# Allegro board S071AA-0413-20260427.brd (continued)
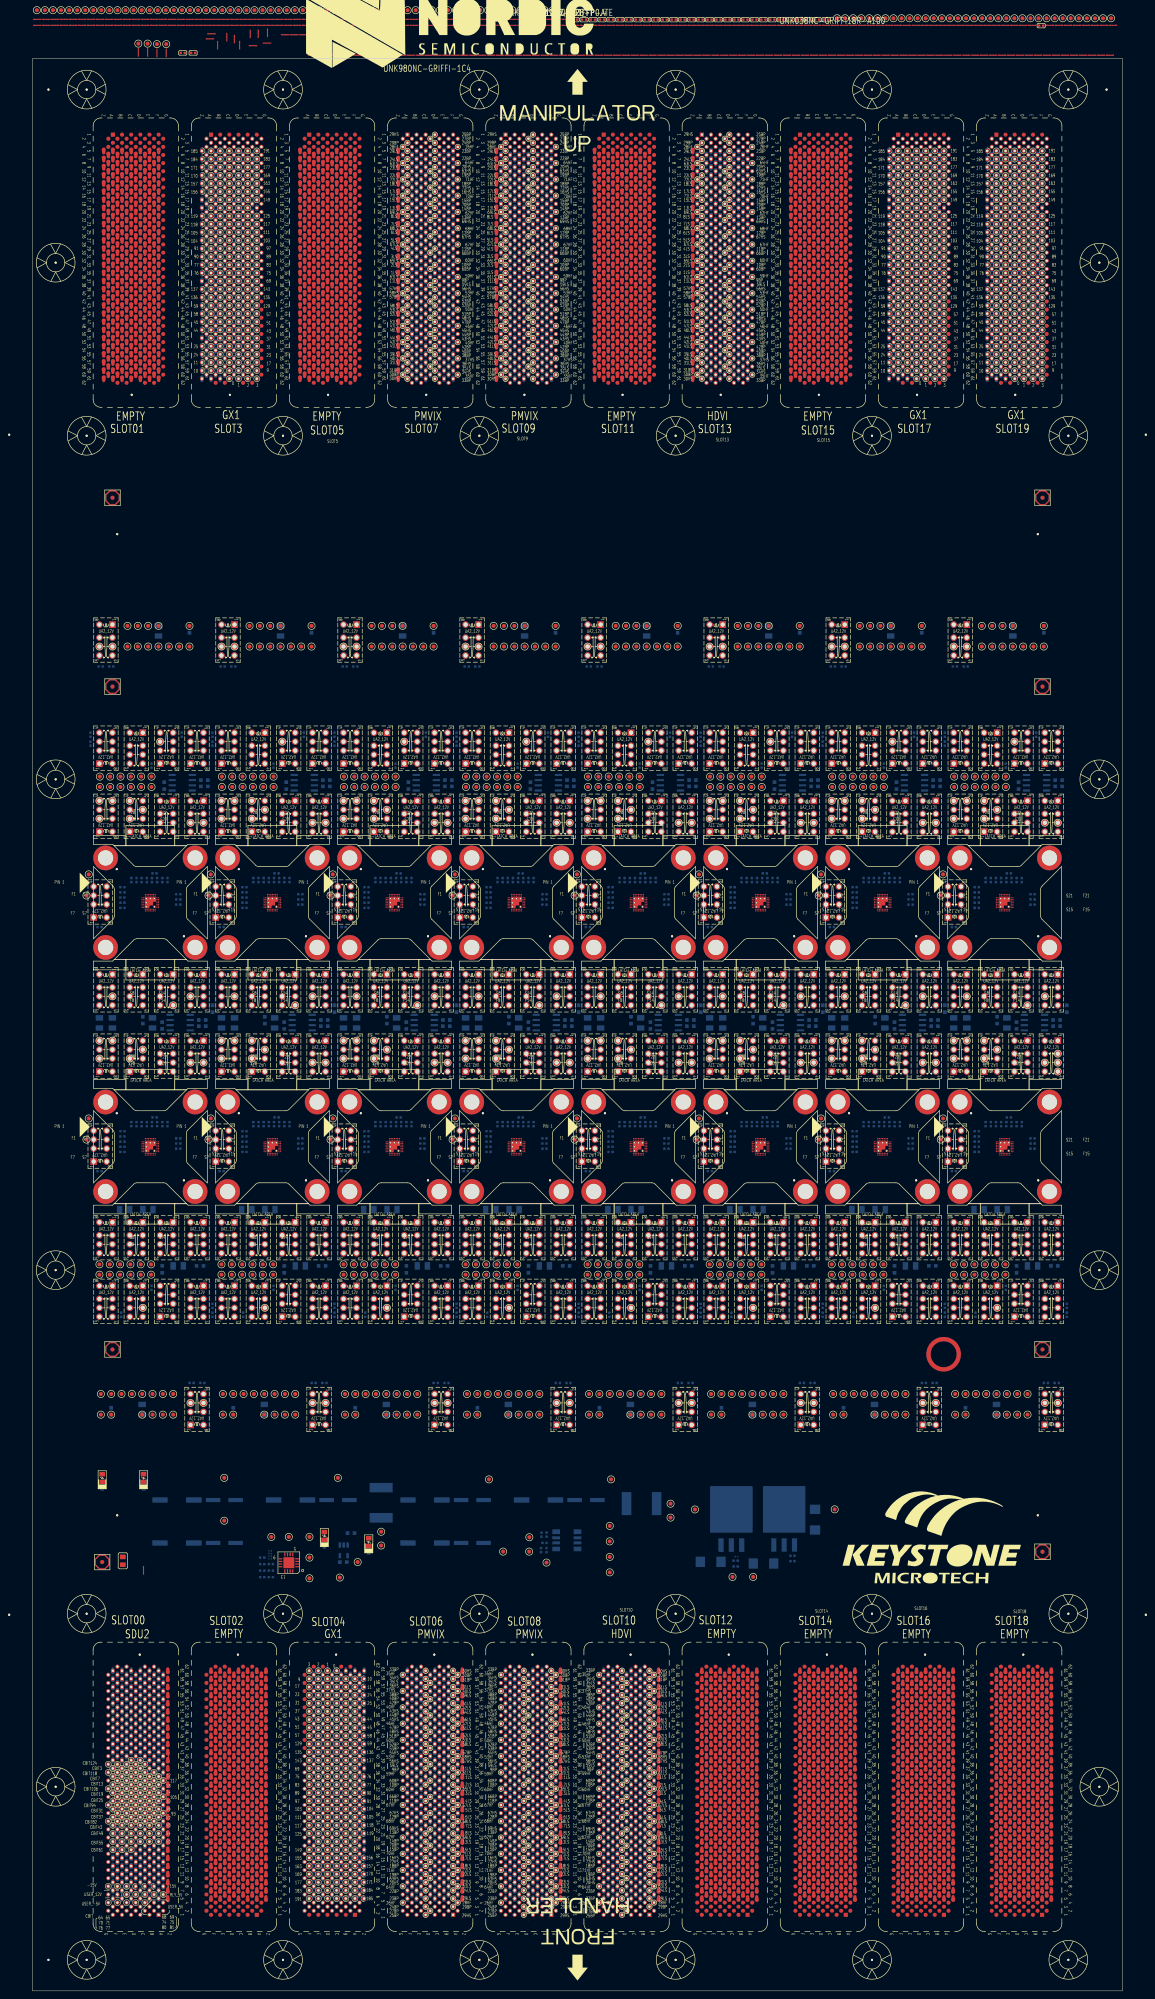
[diagram p0: board, top side]
## Nets (continued)
VI_578_8-CH2F: SITE8.F23(SW_F) SLOT8.F33 UNK8CS23.1 UNK8TP_SW_F.1
VI_578_8-CH2GS: SLOT8.A33 UNK8SH34.2
VI_578_8-CH2S: SITE8.S23(SW_S) SLOT8.C33 UNK8TP_SW_S.1
VI_579_8-CH3BP: SLOT8.B31
VI_579_8-CH3F: SITE8.F22(VOUT_F) SLOT8.F31 UNK8CS22.1 UNK8TP_VOUT_F.1
VI_579_8-CH3GS: SLOT8.A31 UNK8SH33.2
VI_579_8-CH3S: SITE8.S22(VOUT_S) SLOT8.C31 UNK8TP_VOUT_S.1
VI_580_8-CH4BP: SLOT8.B29
VI_580_8-CH4F: SITE8.F21(VDDIO_F) SLOT8.F29 UNK8C1.1 UNK8CS21.1 UNK8R7.1 UNK8R8.1 UNK8TP_VDDIO_F.1
VI_580_8-CH4GS: SLOT8.A29 UNK8SH20.2
VI_580_8-CH4S: SITE8.S21(VDDIO_S) SLOT8.C29 UNK8TP_VDDIO_S.1
VI_581_8-CH5BP: SLOT8.B27
VI_581_8-CH5F: SITE8.F28(VBUS_F) SLOT8.F25 SLOT8.F27 UNK8CS28.1 UNK8K1.4 UNK8TP_VBUS_F.1
VI_581_8-CH5GS: SLOT8.A25 SLOT8.A27 UNK8SH2.2
VI_581_8-CH5S: SITE8.S28(VBUS_S) SLOT8.C25 SLOT8.C27 UNK8TP_VBUS_S.1
VI_582_8-CH6BP: SLOT8.B25
VI_583_8-CH7BP: SLOT8.B23
VI_583_8-CH7F: SITE8.F20(LSIN2 / NCHGEN_F) SLOT8.F23 UNK8C12.1 UNK8CS20.1 UNK8SH37.2 UNK8TP_LSIN2/NCHGEN_F.1
VI_583_8-CH7GS: SLOT8.A23 UNK8SH29.2
VI_583_8-CH7S: SITE8.S20(LSIN2 / NCHGEN_S) SLOT8.C23 UNK8TP_LSIN2/NCHGEN_S.1
VI_584_8-CH8BP: SLOT8.B21
VI_584_8-CH8F: SLOT8.F21
VI_584_8-CH8GS: SLOT8.A21
VI_584_8-CH8S: SLOT8.C21
VI_585_8-CH9BP: SLOT8.D37
VI_585_8-CH9F: SITE6.F4(LSIN1 / ILIM0_F) SLOT8.F37 UNK6CS4.2 UNK6SH35.2 UNK6TP_LSIN1_F.1
VI_585_8-CH9GS: SLOT8.C37 UNK6SH39.1
VI_585_8-CH9S: SITE6.S4(LSIN1 / ILIM0_S) SLOT8.E37 UNK6TP_LSIN1_S.1
VI_586_8-CH10BP: SLOT8.D33
VI_586_8-CH10F: SITE6.F23(SW_F) SLOT8.E35 UNK6CS23.1 UNK6TP_SW_F.1
VI_586_8-CH10GS: SLOT8.B37 UNK6SH34.2
VI_586_8-CH10S: SITE6.S23(SW_S) SLOT8.E33 UNK6TP_SW_S.1
VI_587_8-CH11BP: SLOT8.D29
VI_587_8-CH11F: SITE6.F22(VOUT_F) SLOT8.E31 UNK6CS22.1 UNK6TP_VOUT_F.1
VI_587_8-CH11GS: SLOT8.A37 UNK6SH33.2
VI_587_8-CH11S: SITE6.S22(VOUT_S) SLOT8.E29 UNK6TP_VOUT_S.1
VI_588_8-CH12BP: SLOT8.D25
VI_588_8-CH12F: SITE6.F21(VDDIO_F) SLOT8.E27 UNK6C1.1 UNK6CS21.1 UNK6R7.1 UNK6R8.1 UNK6TP_VDDIO_F.1
VI_588_8-CH12GS: SLOT8.B19 UNK6SH20.2
VI_588_8-CH12S: SITE6.S21(VDDIO_S) SLOT8.E25 UNK6TP_VDDIO_S.1
VI_589_8-CH13BP: SLOT8.D21
VI_589_8-CH13F: SITE6.F28(VBUS_F) SLOT8.E23 SLOT8.F19 UNK6CS28.1 UNK6K1.4 UNK6TP_VBUS_F.1
VI_589_8-CH13GS: SLOT8.A19 SLOT8.C19 UNK6SH2.2
VI_589_8-CH13S: SITE6.S28(VBUS_S) SLOT8.E19 SLOT8.E21 UNK6TP_VBUS_S.1
VI_590_8-CH14BP: SLOT8.D19
VI_591_8-CH15BP: SLOT8.D17
VI_591_8-CH15F: SITE6.F20(LSIN2 / NCHGEN_F) SLOT8.F17 UNK6C12.1 UNK6CS20.1 UNK6SH37.2 UNK6TP_LSIN2/NCHGEN_F.1
VI_591_8-CH15GS: SLOT8.A17 UNK6SH29.2
VI_591_8-CH15S: SITE6.S20(LSIN2 / NCHGEN_S) SLOT8.E17 UNK6TP_LSIN2/NCHGEN_S.1
VI_592_8-CH16BP: SLOT8.C17
VI_592_8-CH16F: SLOT8.E15
VI_592_8-CH16GS: SLOT8.B17
VI_592_8-CH16S: SLOT8.D15
VI_593_8-CH17BP: SLOT8.B15
VI_593_8-CH17F: SITE2.F4(LSIN1 / ILIM0_F) SLOT8.F15 UNK2CS4.2 UNK2SH35.2 UNK2TP_LSIN1_F.1
VI_593_8-CH17GS: SLOT8.A15 UNK2SH39.1
VI_593_8-CH17S: SITE2.S4(LSIN1 / ILIM0_S) SLOT8.C15 UNK2TP_LSIN1_S.1
VI_594_8-CH18BP: SLOT8.D13
VI_594_8-CH18F: SITE2.F23(SW_F) SLOT8.F13 UNK2CS23.1 UNK2TP_SW_F.1
VI_594_8-CH18GS: SLOT8.A13 UNK2SH34.2
VI_594_8-CH18S: SITE2.S23(SW_S) SLOT8.E13 UNK2TP_SW_S.1
VI_595_8-CH19BP: SLOT8.D11
VI_595_8-CH19F: SITE2.F22(VOUT_F) SLOT8.F11 UNK2CS22.1 UNK2TP_VOUT_F.1
VI_595_8-CH19GS: SLOT8.B13 UNK2SH33.2
VI_595_8-CH19S: SITE2.S22(VOUT_S) SLOT8.E11 UNK2TP_VOUT_S.1
VI_596_8-CH20BP: SLOT8.C11
VI_596_8-CH20F: SITE2.F21(VDDIO_F) SLOT8.E9 UNK2C1.1 UNK2CS21.1 UNK2R7.1 UNK2R8.1 UNK2TP_VDDIO_F.1
VI_596_8-CH20GS: SLOT8.C13 UNK2SH20.2
VI_596_8-CH20S: SITE2.S21(VDDIO_S) SLOT8.D9 UNK2TP_VDDIO_S.1
VI_597_8-CH21BP: SLOT8.B9
VI_597_8-CH21F: SITE2.F28(VBUS_F) SLOT8.F7 SLOT8.F9 UNK2CS28.1 UNK2K1.4 UNK2TP_VBUS_F.1
VI_597_8-CH21GS: SLOT8.A11 SLOT8.B11 UNK2SH2.2
VI_597_8-CH21S: SITE2.S28(VBUS_S) SLOT8.C9 SLOT8.E7 UNK2TP_VBUS_S.1
VI_598_8-CH22BP: SLOT8.D7
VI_599_8-CH23BP: SLOT8.D5
VI_599_8-CH23F: SITE2.F20(LSIN2 / NCHGEN_F) SLOT8.F5 UNK2C12.1 UNK2CS20.1 UNK2SH37.2 UNK2TP_LSIN2/NCHGEN_F.1
VI_599_8-CH23GS: SLOT8.A9 UNK2SH29.2
VI_599_8-CH23S: SITE2.S20(LSIN2 / NCHGEN_S) SLOT8.E5 UNK2TP_LSIN2/NCHGEN_S.1
VI_600_8-CH24BP: SLOT8.D3
VI_600_8-CH24F: SLOT8.F3
VI_600_8-CH24GS: SLOT8.A7
VI_600_8-CH24S: SLOT8.E3
VI_601_8-CH25BP: SLOT8.D1
VI_601_8-CH25F: SLOT8.F1
VI_601_8-CH25GS: SLOT8.B7
VI_601_8-CH25S: SLOT8.E1
VI_602_8-CH26BP: SLOT8.C3
VI_602_8-CH26F: SLOT8.G4
VI_602_8-CH26GS: SLOT8.C7
VI_602_8-CH26S: SLOT8.C1
VI_603_8-CH27BP: SLOT8.D2
VI_603_8-CH27F: SLOT8.F2
VI_603_8-CH27GS: SLOT8.C5
VI_603_8-CH27S: SLOT8.C4
VI_604_8-CH28BP: SLOT8.B3
VI_604_8-CH28F: SLOT8.A4
VI_604_8-CH28GS: SLOT8.B5
VI_604_8-CH28S: SLOT8.B1
VI_605_8-CH29BP: SLOT8.A3
VI_605_8-CH29F: SLOT8.B2
VI_605_8-CH29GS: SLOT8.A5
VI_605_8-CH29S: SLOT8.A1
VI_606_8-CH30BP: SLOT8.A60
VI_606_8-CH30F: SLOT8.B62
VI_606_8-CH30GS: SLOT8.B58
VI_606_8-CH30S: SLOT8.A61
VI_607_8-CH31BP: SLOT8.A59
VI_607_8-CH31F: SLOT8.C62
VI_607_8-CH31GS: SLOT8.A57
VI_607_8-CH31S: SLOT8.B61
VI_608_8-CH32BP: SLOT8.E60
VI_608_8-CH32F: SLOT8.F62
VI_608_8-CH32GS: SLOT8.C60
VI_608_8-CH32S: SLOT8.F61
VI_609_8-CH33BP: SLOT8.D61
VI_609_8-CH33F: SITE16.F4(LSIN1 / ILIM0_F) SLOT8.E62 UNK16CS4.2 UNK16SH35.2 UNK16TP_LSIN1_F.1
VI_609_8-CH33GS: SLOT8.C61 UNK16SH39.1
VI_609_8-CH33S: SITE16.S4(LSIN1 / ILIM0_S) SLOT8.E61 UNK16TP_LSIN1_S.1
VI_610_8-CH34BP: SLOT8.C59
VI_610_8-CH34F: SITE16.F23(SW_F) SLOT8.F59 UNK16CS23.1 UNK16TP_SW_F.1
VI_610_8-CH34GS: SLOT8.B59 UNK16SH34.2
VI_610_8-CH34S: SITE16.S23(SW_S) SLOT8.D59 UNK16TP_SW_S.1
VI_611_8-CH35BP: SLOT8.F58
VI_611_8-CH35F: SITE16.F22(VOUT_F) SLOT8.G60 UNK16CS22.1 UNK16TP_VOUT_F.1
VI_611_8-CH35GS: SLOT8.D58 UNK16SH33.2
VI_611_8-CH35S: SITE16.S22(VOUT_S) SLOT8.E59 UNK16TP_VOUT_S.1
VI_612_8-CH36BP: SLOT8.C57
VI_612_8-CH36F: SITE16.F21(VDDIO_F) SLOT8.E57 UNK16C1.1 UNK16CS21.1 UNK16R7.1 UNK16R8.1 UNK16TP_VDDIO_F.1
VI_612_8-CH36GS: SLOT8.B57 UNK16SH20.2
VI_612_8-CH36S: SITE16.S21(VDDIO_S) SLOT8.D57 UNK16TP_VDDIO_S.1
VI_613_8-CH37BP: SLOT8.E56
VI_613_8-CH37F: SITE16.F28(VBUS_F) SLOT8.F55 SLOT8.F57 UNK16CS28.1 UNK16K1.4 UNK16TP_VBUS_F.1
VI_613_8-CH37GS: SLOT8.B55 SLOT8.C56 UNK16SH2.2
VI_613_8-CH37S: SITE16.S28(VBUS_S) SLOT8.E55 SLOT8.G56 UNK16TP_VBUS_S.1
VI_614_8-CH38BP: SLOT8.D55
VI_615_8-CH39BP: SLOT8.B54
VI_615_8-CH39F: SITE16.F20(LSIN2 / NCHGEN_F) SLOT8.E52 UNK16C12.1 UNK16CS20.1 UNK16SH37.2 UNK16TP_LSIN2/NCHGEN_F.1
VI_615_8-CH39GS: SLOT8.A55 UNK16SH29.2
VI_615_8-CH39S: SITE16.S20(LSIN2 / NCHGEN_S) SLOT8.C55 UNK16TP_LSIN2/NCHGEN_S.1
VI_616_8-CH40BP: SLOT8.D54
VI_616_8-CH40F: SLOT8.G52
VI_616_8-CH40GS: SLOT8.A56
VI_616_8-CH40S: SLOT8.F54
VI_617_8-CH41BP: SLOT8.B53
VI_617_8-CH41F: SITE14.F4(LSIN1 / ILIM0_F) SLOT8.F53 UNK14CS4.2 UNK14SH35.2 UNK14TP_LSIN1_F.1
VI_617_8-CH41GS: SLOT8.A53 UNK14SH39.1
VI_617_8-CH41S: SITE14.S4(LSIN1 / ILIM0_S) SLOT8.C53 UNK14TP_LSIN1_S.1
VI_618_8-CH42BP: SLOT8.D53
VI_618_8-CH42F: SITE14.F23(SW_F) SLOT8.F51 UNK14CS23.1 UNK14TP_SW_F.1
VI_618_8-CH42GS: SLOT8.A52 UNK14SH34.2
VI_618_8-CH42S: SITE14.S23(SW_S) SLOT8.E53 UNK14TP_SW_S.1
VI_619_8-CH43BP: SLOT8.C51
VI_619_8-CH43F: SITE14.F22(VOUT_F) SLOT8.E51 UNK14CS22.1 UNK14TP_VOUT_F.1
VI_619_8-CH43GS: SLOT8.C52 UNK14SH33.2
VI_619_8-CH43S: SITE14.S22(VOUT_S) SLOT8.D51 UNK14TP_VOUT_S.1
VI_620_8-CH44BP: SLOT8.D50
VI_620_8-CH44F: SITE14.F21(VDDIO_F) SLOT8.F49 UNK14C1.1 UNK14CS21.1 UNK14R7.1 UNK14R8.1 UNK14TP_VDDIO_F.1
VI_620_8-CH44GS: SLOT8.A51 UNK14SH20.2
VI_620_8-CH44S: SITE14.S21(VDDIO_S) SLOT8.F50 UNK14TP_VDDIO_S.1
VI_621_8-CH45BP: SLOT8.B50
VI_621_8-CH45F: SITE14.F28(VBUS_F) SLOT8.E49 SLOT8.G48 UNK14CS28.1 UNK14K1.4 UNK14TP_VBUS_F.1
VI_621_8-CH45GS: SLOT8.A49 SLOT8.B51 UNK14SH2.2
VI_621_8-CH45S: SITE14.S28(VBUS_S) SLOT8.C49 SLOT8.D49 UNK14TP_VBUS_S.1
VI_622_8-CH46BP: SLOT8.B49
VI_623_8-CH47BP: SLOT8.D47
VI_623_8-CH47F: SITE14.F20(LSIN2 / NCHGEN_F) SLOT8.F47 UNK14C12.1 UNK14CS20.1 UNK14SH37.2 UNK14TP_LSIN2/NCHGEN_F.1
VI_623_8-CH47GS: SLOT8.A48 UNK14SH29.2
VI_623_8-CH47S: SITE14.S20(LSIN2 / NCHGEN_S) SLOT8.E47 UNK14TP_LSIN2/NCHGEN_S.1
VI_624_8-CH48BP: SLOT8.C45
VI_624_8-CH48F: SLOT8.F45
VI_624_8-CH48GS: SLOT8.C48
VI_624_8-CH48S: SLOT8.D46
VI_625_8-CH49BP: SLOT8.C47
VI_625_8-CH49F: SITE12.F4(LSIN1 / ILIM0_F) SLOT8.F46 UNK12CS4.2 UNK12SH35.2 UNK12TP_LSIN1_F.1
VI_625_8-CH49GS: SLOT8.E48 UNK12SH39.1
VI_625_8-CH49S: SITE12.S4(LSIN1 / ILIM0_S) SLOT8.E45 UNK12TP_LSIN1_S.1
VI_626_8-CH50BP: SLOT8.B46
VI_626_8-CH50F: SITE12.F23(SW_F) SLOT8.G44 UNK12CS23.1 UNK12TP_SW_F.1
VI_626_8-CH50GS: SLOT8.B47 UNK12SH34.2
VI_626_8-CH50S: SITE12.S23(SW_S) SLOT8.B45 UNK12TP_SW_S.1
VI_627_8-CH51BP: SLOT8.D45
VI_627_8-CH51F: SITE12.F22(VOUT_F) SLOT8.F41 UNK12CS22.1 UNK12TP_VOUT_F.1
VI_627_8-CH51GS: SLOT8.A47 UNK12SH33.2
VI_627_8-CH51S: SITE12.S22(VOUT_S) SLOT8.E43 UNK12TP_VOUT_S.1
VI_628_8-CH52BP: SLOT8.D43
VI_628_8-CH52F: SITE12.F21(VDDIO_F) SLOT8.F43 UNK12C1.1 UNK12CS21.1 UNK12R7.1 UNK12R8.1 UNK12TP_VDDIO_F.1
VI_628_8-CH52GS: SLOT8.A45 UNK12SH20.2
VI_628_8-CH52S: SITE12.S21(VDDIO_S) SLOT8.F42 UNK12TP_VDDIO_S.1
VI_629_8-CH53BP: SLOT8.D42
VI_629_8-CH53F: SITE12.F28(VBUS_F) SLOT8.F39 SLOT8.G40 UNK12CS28.1 UNK12K1.4 UNK12TP_VBUS_F.1
VI_629_8-CH53GS: SLOT8.A44 SLOT8.C44 UNK12SH2.2
VI_629_8-CH53S: SITE12.S28(VBUS_S) SLOT8.D41 SLOT8.E41 UNK12TP_VBUS_S.1
VI_630_8-CH54BP: SLOT8.C41
VI_631_8-CH55BP: SLOT8.B41
VI_631_8-CH55F: SITE12.F20(LSIN2 / NCHGEN_F) SLOT8.F38 UNK12C12.1 UNK12CS20.1 UNK12SH37.2 UNK12TP_LSIN2/NCHGEN_F.1
VI_631_8-CH55GS: SLOT8.E44 UNK12SH29.2
VI_631_8-CH55S: SITE12.S20(LSIN2 / NCHGEN_S) SLOT8.B39 UNK12TP_LSIN2/NCHGEN_S.1
VI_632_8-CH56BP: SLOT8.C39
VI_632_8-CH56F: SLOT8.E39
VI_632_8-CH56GS: SLOT8.C43
VI_632_8-CH56S: SLOT8.D39
VI_633_8-CH57BP: SLOT8.A41
VI_633_8-CH57F: SITE10.F4(LSIN1 / ILIM0_F) SLOT8.E40 UNK10CS4.2 UNK10SH35.2 UNK10TP_LSIN1_F.1
VI_633_8-CH57GS: SLOT8.B43 UNK10SH39.1
VI_633_8-CH57S: SITE10.S4(LSIN1 / ILIM0_S) SLOT8.A39 UNK10TP_LSIN1_S.1
VI_634_8-CH58BP: SLOT8.B42
VI_634_8-CH58F: SITE10.F23(SW_F) SLOT8.C40 UNK10CS23.1 UNK10TP_SW_F.1
VI_634_8-CH58GS: SLOT8.A43 UNK10SH34.2
VI_634_8-CH58S: SITE10.S23(SW_S) SLOT8.A40 UNK10TP_SW_S.1
VI_635_8-CH59BP: SLOT8.C36
VI_635_8-CH59F: SITE10.F22(VOUT_F) SLOT8.G36 UNK10CS22.1 UNK10TP_VOUT_F.1
VI_635_8-CH59GS: SLOT8.D38 UNK10SH33.2
VI_635_8-CH59S: SITE10.S22(VOUT_S) SLOT8.E36 UNK10TP_VOUT_S.1
VI_636_8-CH60BP: SLOT8.D34
VI_636_8-CH60F: SITE10.F21(VDDIO_F) SLOT8.G32 UNK10C1.1 UNK10CS21.1 UNK10R7.1 UNK10R8.1 UNK10TP_VDDIO_F.1
VI_636_8-CH60GS: SLOT8.B38 UNK10SH20.2
VI_636_8-CH60S: SITE10.S21(VDDIO_S) SLOT8.E32 UNK10TP_VDDIO_S.1
VI_637_8-CH61BP: SLOT8.E24
VI_637_8-CH61F: SITE10.F28(VBUS_F) SLOT8.E28 SLOT8.G20 UNK10CS28.1 UNK10K1.4 UNK10TP_VBUS_F.1
VI_637_8-CH61GS: SLOT8.A36 SLOT8.B10 UNK10SH2.2
VI_637_8-CH61S: SITE10.S28(VBUS_S) SLOT8.E16 SLOT8.F26 UNK10TP_VBUS_S.1
VI_638_8-CH62BP: SLOT8.F18
VI_639_8-CH63BP: SLOT8.E12
VI_639_8-CH63F: SITE10.F20(LSIN2 / NCHGEN_F) SLOT8.F14 UNK10C12.1 UNK10CS20.1 UNK10SH37.2 UNK10TP_LSIN2/NCHGEN_F.1
VI_639_8-CH63GS: SLOT8.A8 UNK10SH29.2
VI_639_8-CH63S: SITE10.S20(LSIN2 / NCHGEN_S) SLOT8.D10 UNK10TP_LSIN2/NCHGEN_S.1
VI_640_8-CH64BP: SLOT8.E8
VI_640_8-CH64F: SLOT8.G8
VI_640_8-CH64GS: SLOT8.C8
VI_640_8-CH64S: SLOT8.F6
VI_641_8-CH65BP: SLOT8.B34
VI_641_8-CH65F: SITE4.F4(LSIN1 / ILIM0_F) SLOT8.F34 UNK4CS4.2 UNK4SH35.2 UNK4TP_LSIN1_F.1
VI_641_8-CH65GS: SLOT8.A32 UNK4SH39.1
VI_641_8-CH65S: SITE4.S4(LSIN1 / ILIM0_S) SLOT8.C32 UNK4TP_LSIN1_S.1
VI_642_8-CH66BP: SLOT8.D30
VI_642_8-CH66F: SITE4.F23(SW_F) SLOT8.F30 UNK4CS23.1 UNK4TP_SW_F.1
VI_642_8-CH66GS: SLOT8.B30 UNK4SH34.2
VI_642_8-CH66S: SITE4.S23(SW_S) SLOT8.C28 UNK4TP_SW_S.1
VI_643_8-CH67BP: SLOT8.B26
VI_643_8-CH67F: SITE4.F22(VOUT_F) SLOT8.G28 UNK4CS22.1 UNK4TP_VOUT_F.1
VI_643_8-CH67GS: SLOT8.A28 UNK4SH33.2
VI_643_8-CH67S: SITE4.S22(VOUT_S) SLOT8.D26 UNK4TP_VOUT_S.1
VI_644_8-CH68BP: SLOT8.C24
VI_644_8-CH68F: SITE4.F21(VDDIO_F) SLOT8.G24 UNK4C1.1 UNK4CS21.1 UNK4R7.1 UNK4R8.1 UNK4TP_VDDIO_F.1
VI_644_8-CH68GS: SLOT8.A24 UNK4SH20.2
VI_644_8-CH68S: SITE4.S21(VDDIO_S) SLOT8.B22 UNK4TP_VDDIO_S.1
VI_645_8-CH69BP: SLOT8.C20
VI_645_8-CH69F: SITE4.F28(VBUS_F) SLOT8.F22 SLOT8.G16 UNK4CS28.1 UNK4K1.4 UNK4TP_VBUS_F.1
VI_645_8-CH69GS: SLOT8.A20 SLOT8.B18 UNK4SH2.2
VI_645_8-CH69S: SITE4.S28(VBUS_S) SLOT8.D22 SLOT8.E20 UNK4TP_VBUS_S.1
VI_646_8-CH70BP: SLOT8.D18
VI_647_8-CH71BP: SLOT8.C16
VI_647_8-CH71F: SITE4.F20(LSIN2 / NCHGEN_F) SLOT8.G12 UNK4C12.1 UNK4CS20.1 UNK4SH37.2 UNK4TP_LSIN2/NCHGEN_F.1
VI_647_8-CH71GS: SLOT8.A16 UNK4SH29.2
VI_647_8-CH71S: SITE4.S20(LSIN2 / NCHGEN_S) SLOT8.B14 UNK4TP_LSIN2/NCHGEN_S.1
VI_648_8-CH72BP: SLOT8.C12
VI_648_8-CH72F: SLOT8.F10
VI_648_8-CH72GS: SLOT8.A12
VI_648_8-CH72S: SLOT8.D14
VI_649_9-CH1BP: SLOT9.B35
VI_649_9-CH1F: SITE9.F4(LSIN1 / ILIM0_F) SLOT9.F35 UNK9CS4.2 UNK9SH35.2 UNK9TP_LSIN1_F.1
VI_649_9-CH1GS: SLOT9.A35 UNK9SH39.1
VI_649_9-CH1S: SITE9.S4(LSIN1 / ILIM0_S) SLOT9.C35 UNK9TP_LSIN1_S.1
VI_650_9-CH2BP: SLOT9.B33
VI_650_9-CH2F: SITE9.F23(SW_F) SLOT9.F33 UNK9CS23.1 UNK9TP_SW_F.1
VI_650_9-CH2GS: SLOT9.A33 UNK9SH34.2
VI_650_9-CH2S: SITE9.S23(SW_S) SLOT9.C33 UNK9TP_SW_S.1
VI_651_9-CH3BP: SLOT9.B31
VI_651_9-CH3F: SITE9.F22(VOUT_F) SLOT9.F31 UNK9CS22.1 UNK9TP_VOUT_F.1
VI_651_9-CH3GS: SLOT9.A31 UNK9SH33.2
VI_651_9-CH3S: SITE9.S22(VOUT_S) SLOT9.C31 UNK9TP_VOUT_S.1
VI_652_9-CH4BP: SLOT9.B29
VI_652_9-CH4F: SITE9.F21(VDDIO_F) SLOT9.F29 UNK9C1.1 UNK9CS21.1 UNK9R7.1 UNK9R8.1 UNK9TP_VDDIO_F.1
VI_652_9-CH4GS: SLOT9.A29 UNK9SH20.2
VI_652_9-CH4S: SITE9.S21(VDDIO_S) SLOT9.C29 UNK9TP_VDDIO_S.1
VI_653_9-CH5BP: SLOT9.B27
VI_653_9-CH5F: SITE9.F28(VBUS_F) SLOT9.F25 SLOT9.F27 UNK9CS28.1 UNK9K1.4 UNK9TP_VBUS_F.1
VI_653_9-CH5GS: SLOT9.A25 SLOT9.A27 UNK9SH2.2
VI_653_9-CH5S: SITE9.S28(VBUS_S) SLOT9.C25 SLOT9.C27 UNK9TP_VBUS_S.1
VI_654_9-CH6BP: SLOT9.B25
VI_655_9-CH7BP: SLOT9.B23
VI_655_9-CH7F: SITE9.F20(LSIN2 / NCHGEN_F) SLOT9.F23 UNK9C12.1 UNK9CS20.1 UNK9SH37.2 UNK9TP_LSIN2/NCHGEN_F.1
VI_655_9-CH7GS: SLOT9.A23 UNK9SH29.2
VI_655_9-CH7S: SITE9.S20(LSIN2 / NCHGEN_S) SLOT9.C23 UNK9TP_LSIN2/NCHGEN_S.1
VI_656_9-CH8BP: SLOT9.B21
VI_656_9-CH8F: SLOT9.F21
VI_656_9-CH8GS: SLOT9.A21
VI_656_9-CH8S: SLOT9.C21
VI_657_9-CH9BP: SLOT9.D37
VI_657_9-CH9F: SITE11.F4(LSIN1 / ILIM0_F) SLOT9.F37 UNK11CS4.2 UNK11SH35.2 UNK11TP_LSIN1_F.1
VI_657_9-CH9GS: SLOT9.C37 UNK11SH39.1
VI_657_9-CH9S: SITE11.S4(LSIN1 / ILIM0_S) SLOT9.E37 UNK11TP_LSIN1_S.1
VI_658_9-CH10BP: SLOT9.D33
VI_658_9-CH10F: SITE11.F23(SW_F) SLOT9.E35 UNK11CS23.1 UNK11TP_SW_F.1
VI_658_9-CH10GS: SLOT9.B37 UNK11SH34.2
VI_658_9-CH10S: SITE11.S23(SW_S) SLOT9.E33 UNK11TP_SW_S.1
VI_659_9-CH11BP: SLOT9.D29
VI_659_9-CH11F: SITE11.F22(VOUT_F) SLOT9.E31 UNK11CS22.1 UNK11TP_VOUT_F.1
VI_659_9-CH11GS: SLOT9.A37 UNK11SH33.2
VI_659_9-CH11S: SITE11.S22(VOUT_S) SLOT9.E29 UNK11TP_VOUT_S.1
VI_660_9-CH12BP: SLOT9.D25
VI_660_9-CH12F: SITE11.F21(VDDIO_F) SLOT9.E27 UNK11C1.1 UNK11CS21.1 UNK11R7.1 UNK11R8.1 UNK11TP_VDDIO_F.1
VI_660_9-CH12GS: SLOT9.B19 UNK11SH20.2
VI_660_9-CH12S: SITE11.S21(VDDIO_S) SLOT9.E25 UNK11TP_VDDIO_S.1
VI_661_9-CH13BP: SLOT9.D21
VI_661_9-CH13F: SITE11.F28(VBUS_F) SLOT9.E23 SLOT9.F19 UNK11CS28.1 UNK11K1.4 UNK11TP_VBUS_F.1
VI_661_9-CH13GS: SLOT9.A19 SLOT9.C19 UNK11SH2.2
VI_661_9-CH13S: SITE11.S28(VBUS_S) SLOT9.E19 SLOT9.E21 UNK11TP_VBUS_S.1
VI_662_9-CH14BP: SLOT9.D19
VI_663_9-CH15BP: SLOT9.D17
VI_663_9-CH15F: SITE11.F20(LSIN2 / NCHGEN_F) SLOT9.F17 UNK11C12.1 UNK11CS20.1 UNK11SH37.2 UNK11TP_LSIN2/NCHGEN_F.1
VI_663_9-CH15GS: SLOT9.A17 UNK11SH29.2
VI_663_9-CH15S: SITE11.S20(LSIN2 / NCHGEN_S) SLOT9.E17 UNK11TP_LSIN2/NCHGEN_S.1
VI_664_9-CH16BP: SLOT9.C17
VI_664_9-CH16F: SLOT9.E15
VI_664_9-CH16GS: SLOT9.B17
VI_664_9-CH16S: SLOT9.D15
VI_665_9-CH17BP: SLOT9.B15
VI_665_9-CH17F: SITE15.F4(LSIN1 / ILIM0_F) SLOT9.F15 UNK15CS4.2 UNK15SH35.2 UNK15TP_LSIN1_F.1
VI_665_9-CH17GS: SLOT9.A15 UNK15SH39.1
VI_665_9-CH17S: SITE15.S4(LSIN1 / ILIM0_S) SLOT9.C15 UNK15TP_LSIN1_S.1
VI_666_9-CH18BP: SLOT9.D13
VI_666_9-CH18F: SITE15.F23(SW_F) SLOT9.F13 UNK15CS23.1 UNK15TP_SW_F.1
VI_666_9-CH18GS: SLOT9.A13 UNK15SH34.2
VI_666_9-CH18S: SITE15.S23(SW_S) SLOT9.E13 UNK15TP_SW_S.1
VI_667_9-CH19BP: SLOT9.D11
VI_667_9-CH19F: SITE15.F22(VOUT_F) SLOT9.F11 UNK15CS22.1 UNK15TP_VOUT_F.1
VI_667_9-CH19GS: SLOT9.B13 UNK15SH33.2
VI_667_9-CH19S: SITE15.S22(VOUT_S) SLOT9.E11 UNK15TP_VOUT_S.1
VI_668_9-CH20BP: SLOT9.C11
VI_668_9-CH20F: SITE15.F21(VDDIO_F) SLOT9.E9 UNK15C1.1 UNK15CS21.1 UNK15R7.1 UNK15R8.1 UNK15TP_VDDIO_F.1
VI_668_9-CH20GS: SLOT9.C13 UNK15SH20.2
VI_668_9-CH20S: SITE15.S21(VDDIO_S) SLOT9.D9 UNK15TP_VDDIO_S.1
VI_669_9-CH21BP: SLOT9.B9
VI_669_9-CH21F: SITE15.F28(VBUS_F) SLOT9.F7 SLOT9.F9 UNK15CS28.1 UNK15K1.4 UNK15TP_VBUS_F.1
VI_669_9-CH21GS: SLOT9.A11 SLOT9.B11 UNK15SH2.2
VI_669_9-CH21S: SITE15.S28(VBUS_S) SLOT9.C9 SLOT9.E7 UNK15TP_VBUS_S.1
VI_670_9-CH22BP: SLOT9.D7
VI_671_9-CH23BP: SLOT9.D5
VI_671_9-CH23F: SITE15.F20(LSIN2 / NCHGEN_F) SLOT9.F5 UNK15C12.1 UNK15CS20.1 UNK15SH37.2 UNK15TP_LSIN2/NCHGEN_F.1
VI_671_9-CH23GS: SLOT9.A9 UNK15SH29.2
VI_671_9-CH23S: SITE15.S20(LSIN2 / NCHGEN_S) SLOT9.E5 UNK15TP_LSIN2/NCHGEN_S.1
VI_672_9-CH24BP: SLOT9.D3
VI_672_9-CH24F: SLOT9.F3
VI_672_9-CH24GS: SLOT9.A7
VI_672_9-CH24S: SLOT9.E3
VI_673_9-CH25BP: SLOT9.D1
VI_673_9-CH25F: SLOT9.F1
VI_673_9-CH25GS: SLOT9.B7
VI_673_9-CH25S: SLOT9.E1
VI_674_9-CH26BP: SLOT9.C3
VI_674_9-CH26F: SLOT9.G4
VI_674_9-CH26GS: SLOT9.C7
VI_674_9-CH26S: SLOT9.C1
VI_675_9-CH27BP: SLOT9.D2
VI_675_9-CH27F: SLOT9.F2
VI_675_9-CH27GS: SLOT9.C5
VI_675_9-CH27S: SLOT9.C4
VI_676_9-CH28BP: SLOT9.B3
VI_676_9-CH28F: SLOT9.A4
VI_676_9-CH28GS: SLOT9.B5
VI_676_9-CH28S: SLOT9.B1
VI_677_9-CH29BP: SLOT9.A3
VI_677_9-CH29F: SLOT9.B2
VI_677_9-CH29GS: SLOT9.A5
VI_677_9-CH29S: SLOT9.A1
VI_678_9-CH30BP: SLOT9.A60
VI_678_9-CH30F: SLOT9.B62
VI_678_9-CH30GS: SLOT9.B58
VI_678_9-CH30S: SLOT9.A61
VI_679_9-CH31BP: SLOT9.A59
VI_679_9-CH31F: SLOT9.C62
VI_679_9-CH31GS: SLOT9.A57
VI_679_9-CH31S: SLOT9.B61
VI_680_9-CH32BP: SLOT9.E60
VI_680_9-CH32F: SLOT9.F62
VI_680_9-CH32GS: SLOT9.C60
VI_680_9-CH32S: SLOT9.F61
VI_681_9-CH33BP: SLOT9.D61
VI_681_9-CH33F: SITE1.F4(LSIN1 / ILIM0_F) SLOT9.E62 UNK1CS4.2 UNK1SH35.2 UNK1TP_LSIN1_F.1
VI_681_9-CH33GS: SLOT9.C61 UNK1SH39.1
VI_681_9-CH33S: SITE1.S4(LSIN1 / ILIM0_S) SLOT9.E61 UNK1TP_LSIN1_S.1
VI_682_9-CH34BP: SLOT9.C59
VI_682_9-CH34F: SITE1.F23(SW_F) SLOT9.F59 UNK1CS23.1 UNK1TP_SW_F.1
VI_682_9-CH34GS: SLOT9.B59 UNK1SH34.2
VI_682_9-CH34S: SITE1.S23(SW_S) SLOT9.D59 UNK1TP_SW_S.1
VI_683_9-CH35BP: SLOT9.F58
VI_683_9-CH35F: SITE1.F22(VOUT_F) SLOT9.G60 UNK1CS22.1 UNK1TP_VOUT_F.1
VI_683_9-CH35GS: SLOT9.D58 UNK1SH33.2
VI_683_9-CH35S: SITE1.S22(VOUT_S) SLOT9.E59 UNK1TP_VOUT_S.1
VI_684_9-CH36BP: SLOT9.C57
VI_684_9-CH36F: SITE1.F21(VDDIO_F) SLOT9.E57 UNK1C1.1 UNK1CS21.1 UNK1R7.1 UNK1R8.1 UNK1TP_VDDIO_F.1
VI_684_9-CH36GS: SLOT9.B57 UNK1SH20.2
VI_684_9-CH36S: SITE1.S21(VDDIO_S) SLOT9.D57 UNK1TP_VDDIO_S.1
VI_685_9-CH37BP: SLOT9.E56
VI_685_9-CH37F: SITE1.F28(VBUS_F) SLOT9.F55 SLOT9.F57 UNK1CS28.1 UNK1K1.4 UNK1TP_VBUS_F.1
VI_685_9-CH37GS: SLOT9.B55 SLOT9.C56 UNK1SH2.2
VI_685_9-CH37S: SITE1.S28(VBUS_S) SLOT9.E55 SLOT9.G56 UNK1TP_VBUS_S.1
VI_686_9-CH38BP: SLOT9.D55
VI_687_9-CH39BP: SLOT9.B54
VI_687_9-CH39F: SITE1.F20(LSIN2 / NCHGEN_F) SLOT9.E52 UNK1C12.1 UNK1CS20.1 UNK1SH37.2 UNK1TP_LSIN2/NCHGEN_F.1
VI_687_9-CH39GS: SLOT9.A55 UNK1SH29.2
VI_687_9-CH39S: SITE1.S20(LSIN2 / NCHGEN_S) SLOT9.C55 UNK1TP_LSIN2/NCHGEN_S.1
VI_688_9-CH40BP: SLOT9.D54
VI_688_9-CH40F: SLOT9.G52
VI_688_9-CH40GS: SLOT9.A56
VI_688_9-CH40S: SLOT9.F54
VI_689_9-CH41BP: SLOT9.B53
VI_689_9-CH41F: SITE3.F4(LSIN1 / ILIM0_F) SLOT9.F53 UNK3CS4.2 UNK3SH35.2 UNK3TP_LSIN1_F.1
VI_689_9-CH41GS: SLOT9.A53 UNK3SH39.1
VI_689_9-CH41S: SITE3.S4(LSIN1 / ILIM0_S) SLOT9.C53 UNK3TP_LSIN1_S.1
VI_690_9-CH42BP: SLOT9.D53
VI_690_9-CH42F: SITE3.F23(SW_F) SLOT9.F51 UNK3CS23.1 UNK3TP_SW_F.1
VI_690_9-CH42GS: SLOT9.A52 UNK3SH34.2
VI_690_9-CH42S: SITE3.S23(SW_S) SLOT9.E53 UNK3TP_SW_S.1
VI_691_9-CH43BP: SLOT9.C51
VI_691_9-CH43F: SITE3.F22(VOUT_F) SLOT9.E51 UNK3CS22.1 UNK3TP_VOUT_F.1
VI_691_9-CH43GS: SLOT9.C52 UNK3SH33.2
VI_691_9-CH43S: SITE3.S22(VOUT_S) SLOT9.D51 UNK3TP_VOUT_S.1
VI_692_9-CH44BP: SLOT9.D50
VI_692_9-CH44F: SITE3.F21(VDDIO_F) SLOT9.F49 UNK3C1.1 UNK3CS21.1 UNK3R7.1 UNK3R8.1 UNK3TP_VDDIO_F.1
VI_692_9-CH44GS: SLOT9.A51 UNK3SH20.2
VI_692_9-CH44S: SITE3.S21(VDDIO_S) SLOT9.F50 UNK3TP_VDDIO_S.1
VI_693_9-CH45BP: SLOT9.B50
VI_693_9-CH45F: SITE3.F28(VBUS_F) SLOT9.E49 SLOT9.G48 UNK3CS28.1 UNK3K1.4 UNK3TP_VBUS_F.1
VI_693_9-CH45GS: SLOT9.A49 SLOT9.B51 UNK3SH2.2
VI_693_9-CH45S: SITE3.S28(VBUS_S) SLOT9.C49 SLOT9.D49 UNK3TP_VBUS_S.1
VI_694_9-CH46BP: SLOT9.B49
VI_695_9-CH47BP: SLOT9.D47
VI_695_9-CH47F: SITE3.F20(LSIN2 / NCHGEN_F) SLOT9.F47 UNK3C12.1 UNK3CS20.1 UNK3SH37.2 UNK3TP_LSIN2/NCHGEN_F.1
VI_695_9-CH47GS: SLOT9.A48 UNK3SH29.2
VI_695_9-CH47S: SITE3.S20(LSIN2 / NCHGEN_S) SLOT9.E47 UNK3TP_LSIN2/NCHGEN_S.1
VI_696_9-CH48BP: SLOT9.C45
VI_696_9-CH48F: SLOT9.F45
VI_696_9-CH48GS: SLOT9.C48
VI_696_9-CH48S: SLOT9.D46
VI_697_9-CH49BP: SLOT9.C47
VI_697_9-CH49F: SITE5.F4(LSIN1 / ILIM0_F) SLOT9.F46 UNK5CS4.2 UNK5SH35.2 UNK5TP_LSIN1_F.1
VI_697_9-CH49GS: SLOT9.E48 UNK5SH39.1
VI_697_9-CH49S: SITE5.S4(LSIN1 / ILIM0_S) SLOT9.E45 UNK5TP_LSIN1_S.1
VI_698_9-CH50BP: SLOT9.B46
VI_698_9-CH50F: SITE5.F23(SW_F) SLOT9.G44 UNK5CS23.1 UNK5TP_SW_F.1
VI_698_9-CH50GS: SLOT9.B47 UNK5SH34.2
VI_698_9-CH50S: SITE5.S23(SW_S) SLOT9.B45 UNK5TP_SW_S.1
VI_699_9-CH51BP: SLOT9.D45
VI_699_9-CH51F: SITE5.F22(VOUT_F) SLOT9.F41 UNK5CS22.1 UNK5TP_VOUT_F.1
VI_699_9-CH51GS: SLOT9.A47 UNK5SH33.2
VI_699_9-CH51S: SITE5.S22(VOUT_S) SLOT9.E43 UNK5TP_VOUT_S.1
VI_700_9-CH52BP: SLOT9.D43
VI_700_9-CH52F: SITE5.F21(VDDIO_F) SLOT9.F43 UNK5C1.1 UNK5CS21.1 UNK5R7.1 UNK5R8.1 UNK5TP_VDDIO_F.1
VI_700_9-CH52GS: SLOT9.A45 UNK5SH20.2
VI_700_9-CH52S: SITE5.S21(VDDIO_S) SLOT9.F42 UNK5TP_VDDIO_S.1
VI_701_9-CH53BP: SLOT9.D42
VI_701_9-CH53F: SITE5.F28(VBUS_F) SLOT9.F39 SLOT9.G40 UNK5CS28.1 UNK5K1.4 UNK5TP_VBUS_F.1
VI_701_9-CH53GS: SLOT9.A44 SLOT9.C44 UNK5SH2.2
VI_701_9-CH53S: SITE5.S28(VBUS_S) SLOT9.D41 SLOT9.E41 UNK5TP_VBUS_S.1
VI_702_9-CH54BP: SLOT9.C41
VI_703_9-CH55BP: SLOT9.B41
VI_703_9-CH55F: SITE5.F20(LSIN2 / NCHGEN_F) SLOT9.F38 UNK5C12.1 UNK5CS20.1 UNK5SH37.2 UNK5TP_LSIN2/NCHGEN_F.1
VI_703_9-CH55GS: SLOT9.E44 UNK5SH29.2
VI_703_9-CH55S: SITE5.S20(LSIN2 / NCHGEN_S) SLOT9.B39 UNK5TP_LSIN2/NCHGEN_S.1
VI_704_9-CH56BP: SLOT9.C39
VI_704_9-CH56F: SLOT9.E39
VI_704_9-CH56GS: SLOT9.C43
VI_704_9-CH56S: SLOT9.D39
VI_705_9-CH57BP: SLOT9.A41
VI_705_9-CH57F: SITE7.F4(LSIN1 / ILIM0_F) SLOT9.E40 UNK7CS4.2 UNK7SH35.2 UNK7TP_LSIN1_F.1
VI_705_9-CH57GS: SLOT9.B43 UNK7SH39.1
VI_705_9-CH57S: SITE7.S4(LSIN1 / ILIM0_S) SLOT9.A39 UNK7TP_LSIN1_S.1
VI_706_9-CH58BP: SLOT9.B42
VI_706_9-CH58F: SITE7.F23(SW_F) SLOT9.C40 UNK7CS23.1 UNK7TP_SW_F.1
VI_706_9-CH58GS: SLOT9.A43 UNK7SH34.2
VI_706_9-CH58S: SITE7.S23(SW_S) SLOT9.A40 UNK7TP_SW_S.1
VI_707_9-CH59BP: SLOT9.C36
VI_707_9-CH59F: SITE7.F22(VOUT_F) SLOT9.G36 UNK7CS22.1 UNK7TP_VOUT_F.1
VI_707_9-CH59GS: SLOT9.D38 UNK7SH33.2
VI_707_9-CH59S: SITE7.S22(VOUT_S) SLOT9.E36 UNK7TP_VOUT_S.1
VI_708_9-CH60BP: SLOT9.D34
VI_708_9-CH60F: SITE7.F21(VDDIO_F) SLOT9.G32 UNK7C1.1 UNK7CS21.1 UNK7R7.1 UNK7R8.1 UNK7TP_VDDIO_F.1
VI_708_9-CH60GS: SLOT9.B38 UNK7SH20.2
VI_708_9-CH60S: SITE7.S21(VDDIO_S) SLOT9.E32 UNK7TP_VDDIO_S.1
VI_709_9-CH61BP: SLOT9.E24
VI_709_9-CH61F: SITE7.F28(VBUS_F) SLOT9.E28 SLOT9.G20 UNK7CS28.1 UNK7K1.4 UNK7TP_VBUS_F.1
VI_709_9-CH61GS: SLOT9.A36 SLOT9.B10 UNK7SH2.2
VI_709_9-CH61S: SITE7.S28(VBUS_S) SLOT9.E16 SLOT9.F26 UNK7TP_VBUS_S.1
VI_710_9-CH62BP: SLOT9.F18
VI_711_9-CH63BP: SLOT9.E12
VI_711_9-CH63F: SITE7.F20(LSIN2 / NCHGEN_F) SLOT9.F14 UNK7C12.1 UNK7CS20.1 UNK7SH37.2 UNK7TP_LSIN2/NCHGEN_F.1
VI_711_9-CH63GS: SLOT9.A8 UNK7SH29.2
VI_711_9-CH63S: SITE7.S20(LSIN2 / NCHGEN_S) SLOT9.D10 UNK7TP_LSIN2/NCHGEN_S.1
VI_712_9-CH64BP: SLOT9.E8
VI_712_9-CH64F: SLOT9.G8
VI_712_9-CH64GS: SLOT9.C8
VI_712_9-CH64S: SLOT9.F6
VI_713_9-CH65BP: SLOT9.B34
VI_713_9-CH65F: SITE13.F4(LSIN1 / ILIM0_F) SLOT9.F34 UNK13CS4.2 UNK13SH35.2 UNK13TP_LSIN1_F.1
VI_713_9-CH65GS: SLOT9.A32 UNK13SH39.1
VI_713_9-CH65S: SITE13.S4(LSIN1 / ILIM0_S) SLOT9.C32 UNK13TP_LSIN1_S.1
VI_714_9-CH66BP: SLOT9.D30
VI_714_9-CH66F: SITE13.F23(SW_F) SLOT9.F30 UNK13CS23.1 UNK13TP_SW_F.1
VI_714_9-CH66GS: SLOT9.B30 UNK13SH34.2
VI_714_9-CH66S: SITE13.S23(SW_S) SLOT9.C28 UNK13TP_SW_S.1
VI_715_9-CH67BP: SLOT9.B26
VI_715_9-CH67F: SITE13.F22(VOUT_F) SLOT9.G28 UNK13CS22.1 UNK13TP_VOUT_F.1
VI_715_9-CH67GS: SLOT9.A28 UNK13SH33.2
VI_715_9-CH67S: SITE13.S22(VOUT_S) SLOT9.D26 UNK13TP_VOUT_S.1
VI_716_9-CH68BP: SLOT9.C24
VI_716_9-CH68F: SITE13.F21(VDDIO_F) SLOT9.G24 UNK13C1.1 UNK13CS21.1 UNK13R7.1 UNK13R8.1 UNK13TP_VDDIO_F.1
VI_716_9-CH68GS: SLOT9.A24 UNK13SH20.2
VI_716_9-CH68S: SITE13.S21(VDDIO_S) SLOT9.B22 UNK13TP_VDDIO_S.1
VI_717_9-CH69BP: SLOT9.C20
VI_717_9-CH69F: SITE13.F28(VBUS_F) SLOT9.F22 SLOT9.G16 UNK13CS28.1 UNK13K1.4 UNK13TP_VBUS_F.1
VI_717_9-CH69GS: SLOT9.A20 SLOT9.B18 UNK13SH2.2
VI_717_9-CH69S: SITE13.S28(VBUS_S) SLOT9.D22 SLOT9.E20 UNK13TP_VBUS_S.1
VI_718_9-CH70BP: SLOT9.D18
VI_719_9-CH71BP: SLOT9.C16
VI_719_9-CH71F: SITE13.F20(LSIN2 / NCHGEN_F) SLOT9.G12 UNK13C12.1 UNK13CS20.1 UNK13SH37.2 UNK13TP_LSIN2/NCHGEN_F.1
VI_719_9-CH71GS: SLOT9.A16 UNK13SH29.2
VI_719_9-CH71S: SITE13.S20(LSIN2 / NCHGEN_S) SLOT9.B14 UNK13TP_LSIN2/NCHGEN_S.1
VI_720_9-CH72BP: SLOT9.C12
VI_720_9-CH72F: SLOT9.F10
VI_720_9-CH72GS: SLOT9.A12
VI_720_9-CH72S: SLOT9.D14
VOUT_ADJ1-2: C100.1 R376.1 REG1_P_10V.1(TP) U46.2(OUT) U46.4(TAB) U47.3(IN)
N05392: UNK2K7.4 UNK2R41.1
